# Altium PCB 2m_DBoard_TX.PcbDoc (part 1 of 5) (continued)
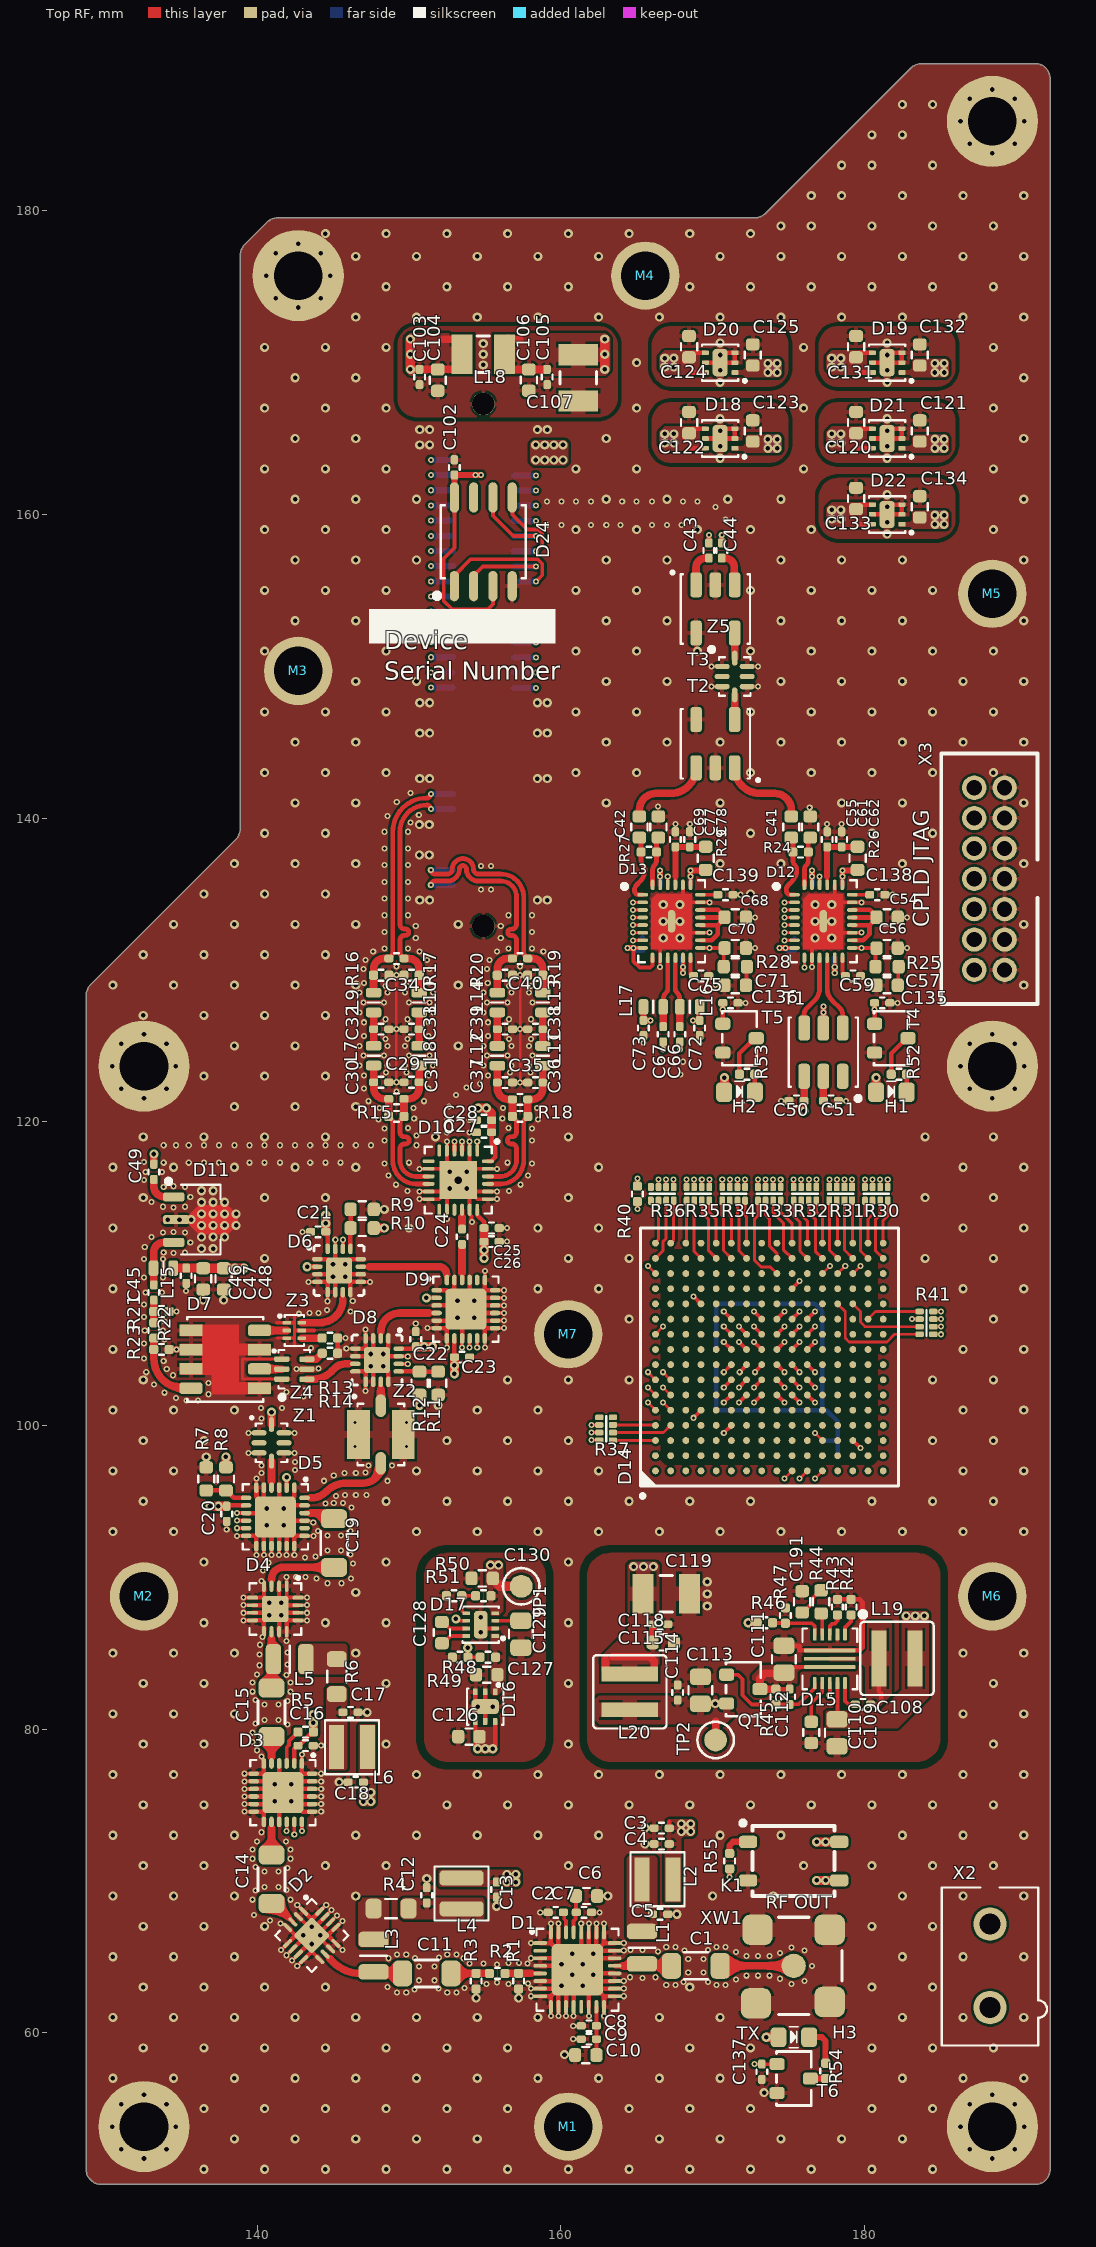
[diagram p0: Top RF view]
## Design rules (kind name [scope] priority, off if disabled: settings) (continued)
HoleSize [All] p3: absolutevalues=TRUE maxlimit=5 minlimit=0.2 maxpercent=80.000 minpercent=20.000
HoleToHoleClearance [All] p1: gap=0.15 allowstackedmicrovias=TRUE
MatchedLengths [InDifferentialPair ('TX_IOUTA')] p1: tolerance=25.4 checknetsindiffpair=FALSE checkdiffpairvsdiffpair=TRUE checkxsignals=TRUE checkothers=TRUE
MinimumSolderMaskSliver [All] p1: minsoldermaskwidth=0.01
PlaneClearance [All] p1: clearance=0.254
PlaneConnect [All] p1: planeconnectstyle=Direct reliefexpansion=0.508 reliefentries=4 reliefconductorwidth=0.254 reliefairgap=0.254
PolygonConnect PolygonConnect_1 [All vs IsNamedPolygon('')] p1: thpad.connectstyle=Relief thpad.reliefconductorwidth=0.3 thpad.reliefentries=4 thpad.polygonreliefangle="90 Angle" thpad.airgapwidth=0.15 smdpad.connectstyle=Relief smdpad.reliefconductorwidth=0.3 smdpad.reliefentries=4 smdpad.polygonreliefangle="90 Angle" smdpad.airgapwidth=0.15 via.connectstyle=Direct via.reliefconductorwidth=0.254 via.reliefentries=4 via.polygonreliefangle="90 Angle" via.airgapwidth=0.254
PolygonConnect PolygonConnect_2 [All vs IsNamedPolygon( '-3V4_DVSS_P001', '6V_TX_P002','6V_TX_P003','6V_TX_P004','6V_TX_P005','6V_TX_P006', '6V_TX_P007','6V_TX_P101','5V_QMOD_P001',  '5V_AVDD_P001', '5V_CVDD_P001', '5V_CVDD_P001', '3V3_CVDD_P001', '3V3_DVDD_P002', 'NETL3_2_L01_P','NETL5_2_L01_P','NETC127_1_L01_P')] p2: connectstyle=Direct reliefconductorwidth=0.254 reliefentries=4 polygonreliefangle="90 Angle" airgapwidth=0.254
PolygonConnect Mech_Via [InPadClass('Mechanical') or InPadClass('MicroMechanical')] p3: connectstyle=Direct reliefconductorwidth=0.254 reliefentries=4 polygonreliefangle="90 Angle" airgapwidth=0.254
PolygonConnect Shield [InPolygonClass('Shield')] p4: connectstyle=NoConnect reliefconductorwidth=0.254 reliefentries=4 polygonreliefangle="90 Angle" airgapwidth=0.15
PolygonConnect 0805 [HasFootprint('C0805')] p5: connectstyle=Relief reliefconductorwidth=0.5 reliefentries=4 polygonreliefangle="90 Angle" airgapwidth=0.15
PolygonConnect Power [InPadClass('Power')] p6: connectstyle=Direct reliefconductorwidth=1 reliefentries=4 polygonreliefangle="90 Angle" airgapwidth=0.15
PolygonConnect VIA [IsVia] p7: connectstyle=Direct reliefconductorwidth=0.254 reliefentries=4 polygonreliefangle="90 Angle" airgapwidth=0.15
PolygonConnect "Direct Connection" [InPadClass('Direct Connect')] p8: connectstyle=Direct reliefconductorwidth=0.254 reliefentries=4 polygonreliefangle="90 Angle" airgapwidth=0.15
PolygonConnect [All] p9: connectstyle=Relief reliefconductorwidth=0.3 reliefentries=4 polygonreliefangle="90 Angle" airgapwidth=0.15
RoutingVias [All] p1: holewidth=0.2 width=0.4 viastyle="Through Hole" minholewidth=0.2 minwidth=0.4 maxholewidth=0.5 maxwidth=1
SilkToSilkClearance [All] p1: silktosilkclearance=0.01
SilkToSolderMaskClearance [IsPad] p1: minsilkscreentomaskgap=0.01 clearancetoexposedcopper=TRUE
SolderMaskExpansion SolderMaskExpansion_via [IsVia] p1: expansion=0.102 istentingtop=TRUE
SolderMaskExpansion [InPadClass('All Pads')] p2: expansion=0.01 istentingtop=FALSE
UnRoutedNet [All] p1: checkbadconnections=TRUE
Width Digi_50Ohm [InNetClass('Digi_50Ohm')] p1: maxlimit=0.5 minlimit=0.1 preferedwidth=0.4 toplayer_prefwidth=0.5 midlayer1_minwidth=0.35 midlayer1_maxwidth=0.35 midlayer1_prefwidth=0.35 midlayer4_minwidth=0.11 midlayer4_maxwidth=0.11 midlayer4_prefwidth=0.11 bottomlayer_minwidth=0.4 bottomlayer_maxwidth=0.4 impedanceprofiledriven=TRUE impedanceprofileid={ACE18A77-4A1F-4D0A-A6FB-D899861BAE52} impedanceprofilevalue=50.000000 minimp=50.000000 maximp=50.000000 favimp=50.000000
Width "RF_50Ohm width" [InNetClass('RF_50Ohm')] p2: maxlimit=0.5 minlimit=0.11 preferedwidth=0.4 toplayer_minwidth=0.3 toplayer_prefwidth=0.5 midlayer1_minwidth=0.3 midlayer1_maxwidth=0.35 midlayer1_prefwidth=0.35 midlayer4_maxwidth=0.11 midlayer4_prefwidth=0.11 bottomlayer_minwidth=0.4 bottomlayer_maxwidth=0.4 impedanceprofiledriven=TRUE impedanceprofileid={ACE18A77-4A1F-4D0A-A6FB-D899861BAE52} impedanceprofilevalue=50.000000 minimp=50.000000 maximp=50.000000 favimp=50.000000
Width PowerLine [InNetClass('All Nets')] p3: maxlimit=3.5 minlimit=0.1 preferedwidth=0.254 minimp=50.000000 maximp=50.000000 favimp=50.000000
Width [All] p4: maxlimit=0.5 minlimit=0.1 preferedwidth=0.15 minimp=50.000000 maximp=50.000000 favimp=50.000000
21 further rules are at their usual default settings.

## Classes and differential pairs
differential pair class Diff_pair_100Ohm: _IOUTA_QMOD _IOUTB_QMOD _LO1_TX LO2_TX REF_FREQ_TX TX_IOUTA TX_IOUTB
net class Digi_50Ohm: cpld_io_00 cpld_io_01 cpld_io_02 cpld_io_03 cpld_io_04 cpld_io_05 cpld_io_06 cpld_io_07 cpld_io_08 cpld_io_09 cpld_io_10 cpld_io_11 cpld_io_12 cpld_io_13 cpld_io_14 cpld_io_15 MISO_TX MOSI_TX SCLK_TX SEN_TX
differential pair TX_IOUTA: +TX_IOUTA_P -TX_IOUTA_N
differential pair TX_IOUTB: +TX_IOUTB_P -TX_IOUTB_N
differential pair _IOUTA_QMOD: +_IOUTA_QMOD_P -_IOUTA_QMOD_N
differential pair _IOUTB_QMOD: +_IOUTB_QMOD_P -_IOUTB_QMOD_N
differential pair LO2_TX: +LO2_TX_P -LO2_TX_N
differential pair REF_FREQ_TX: +REF_FREQ_TX_P -REF_FREQ_TX_N
differential pair _LO1_TX: +_LO1_TX_P -_LO1_TX_N

## Components (designator, comment, footprint, x,y, rotation, side; value= is the part's Value field where it differs from the comment)
C1 "CAP" C1206 168.9,64.4 r180 top value=0.1uF
C2 "CAP" C0402 159.675,67.925 r180 top value=1000pF
C3 "CAP" C0402 166.65,73.475 r0 top value=10nF
C4 "CAP" C0402 166.65,72.425 r0 top value=1000pF
C5 "CAP" C0402 166.55,67.8 r180 top value=1.5pF
C6 "CAP" C0603 161.7,69 r0 top value=4.7uF
C7 "CAP" C0402 161.525,67.925 r180 top value=10nF
C8 "CAP" C0402 161.85,60.45 r0 top value=1000pF
C9 "CAP" C0402 161.85,59.575 r0 top value=10nF
C10 "CAP" C0603 161.65,58.525 r180 top value=4.7uF
C11 "CAP" C1206 151.175,63.9 r180 top value=0.1uF
C12 "CAP" C0402 151.175,69.05 r270 top value=1.5pF
C13 "CAP" C0402 155.775,69.425 r90 top value=10nF
C14 "CAP" C1206 140.95,70.105 r90 top value=0.1uF
C15 "CAP" C1206 140.95,81.105 r90 top value=0.1uF
C16 "CAP" C0402 143.2,78.905 r180 top value=10nF
C17 "CAP" C0402 146.15,81.1 r180 top value=1.5pF
C18 "CAP" C0402 146.5,76.5 r0 top value=10nF
C19 "CAP" C1206 145.075,92.25 r90 top value=0.1uF
C20 "CAP" C0402 138,94.175 r270 top value=10nF
C21 "CAP" C0402 144.025,112.75 r180 top value=10nF
C22 "CAP" C0402 150.45,105.675 r90 top value=10nF
C23 "CAP" C0402 153.5,104.5 r0 top value=10nF
C24 "CAP" C0402 153.5,112.425 r270 top value=100pF
C25 "CAP" C0402 155.45,113 r180 top value=100pF
C26 "CAP" C0402 155.45,112.1 r180 top value=0.1uF
C27 "CAP" C0402 154.95,119.3 r0 top value=100pF
C28 "CAP" C0402 154.95,120.1 r0 top value=0.1uF
C29 "CAP" C0402 149.175,121.5 r0 top value=6pF
C30 "CAP" C0402 148.175,122.6 r0 top value=3pF
C31 "CAP" C0402 150.175,122.6 r0 top value=3pF
C32 "CAP" C0402 148.175,126.1 r0 top value=22pF
C33 "CAP" C0402 150.175,126.1 r0 top value=22pF
C34 "CAP" C0402 149.175,130.75 r0 top value=3.6pF
C35 "CAP" C0402 157.325,121.466 r180 top value=6pF
C36 "CAP" C0402 158.325,122.581 r180 top value=3pF
C37 "CAP" C0402 156.325,122.581 r180 top value=3pF
C38 "CAP" C0402 158.325,126.1 r180 top value=22pF
C39 "CAP" C0402 156.325,126.1 r180 top value=22pF
C40 "CAP" C0402 157.325,130.75 r180 top value=3.6pF
C41 "CAP" C0603 175.186,139.413 r90 top value=1uF
C42 "CAP" C0603 165.182,139.413 r90 top value=1uF
C43 "CAP" C0402 169.759,157.625 r90 top value=0.1uF
C44 "CAP" C0402 170.609,157.625 r90 top value=0.1uF
C45 "CAP" C0402 133.2,108.75 r270 top value=1000pF
C46 "CAP" C0402 135.331,109.854 r90 top value=68pF
C47 "CAP" C0603 136.45,109.65 r90 top value=1200pF
C48 "CAP" C0603 137.8,109.65 r270 top value=1uF
C49 "CAP" C0402 133.2,116.7 r270 top value=1000pF
C50 "CAP" C0402 175.525,121.375 r0 top value=0.3pF
C51 "CAP" C0402 177.8,121.375 r0 top value=1000pF
C52 "CAP" C0402 177.8,126.75 r0 bottom value=1000pF
C53 "CAP" C0402 177.8,125.975 r180 bottom value=10nF
C54 "CAP" C0603 181.499,133.462 r180 top value=2.2uF
C55 "CAP" C0603 176.432,139.413 r90 top value=1uF
C56 "CAP" C0603 181.499,131.437 r180 top value=2200pF
C57 "CAP" C0603 181.499,128.987 r0 top value=27nF
C58 "CAP" C0402 178.55,130.8 r0 bottom value=10nF
C59 "CAP" C0402 179.25,129.6 r180 top value=1uF
C60 "CAP" C0402 175.4,130.8 r90 bottom value=0.1uF
C61 "CAP" C0402 177.55,138.6 r270 top value=10nF
C62 "CAP" C0402 178.5,138.6 r270 top value=1uF
C63 "CAP" C0402 178.05,135.6 r0 bottom value=10nF
C64 "CAP" C0402 176.05,135.6 r0 bottom value=0.1uF
C65 "CAP" C0402 175.4,132.6 r270 bottom value=0.1uF
C66 "CAP" C0402 167.849,125.762 r270 top value=100pF
C67 "CAP" C0402 166.749,125.762 r270 top value=100pF
C68 "CAP" C0603 171.499,133.462 r180 top value=2.2uF
C69 "CAP" C0603 166.432,139.413 r90 top value=1uF
C70 "CAP" C0603 171.499,131.437 r180 top value=2200pF
C71 "CAP" C0603 171.499,128.987 r0 top value=27nF
C72 "CAP" C0402 169.15,126.175 r90 top value=10pF
C73 "CAP" C0402 165.45,126.175 r90 top value=10nF
C74 "CAP" C0402 168.55,130.8 r0 bottom value=10nF
C75 "CAP" C0402 169.25,129.6 r180 top value=1uF
C76 "CAP" C0402 165.4,130.8 r90 bottom value=0.1uF
C77 "CAP" C0402 167.55,138.6 r270 top value=10nF
C78 "CAP" C0402 168.5,138.6 r270 top value=1uF
C79 "CAP" C0402 168.05,135.6 r0 bottom value=10nF
C80 "CAP" C0402 166.05,135.6 r0 bottom value=0.1uF
C81 "CAP" C0402 165.4,132.6 r270 bottom value=0.1uF
C82 "CAP" C0402 171.74,100 r0 bottom value=1uF
C83 "CAP" C0402 178.74,99 r180 bottom value=0.1uF
C84 "CAP" C0402 174.74,109 r180 bottom value=0.1uF
C85 "CAP" C0402 169.74,108 r0 bottom value=0.1uF
C86 "CAP" C0402 169.74,101 r0 bottom value=0.1uF
C87 "CAP" C0402 174.24,101.5 r90 bottom value=0.1uF
C88 "CAP" C0402 175.24,101.5 r90 bottom value=0.1uF
C89 "CAP" C0402 176.74,103 r180 bottom value=0.1uF
C90 "CAP" C0402 176.74,104 r180 bottom value=0.1uF
C91 "CAP" C0402 174.24,107.5 r270 bottom value=0.1uF
C92 "CAP" C0402 175.24,107.5 r270 bottom value=0.1uF
C93 "CAP" C0402 176.74,106 r180 bottom value=0.1uF
C94 "CAP" C0402 176.74,105 r180 bottom value=0.1uF
C95 "CAP" C0402 170.74,103 r0 bottom value=0.1uF
C96 "CAP" C0402 170.74,104 r0 bottom value=0.1uF
C97 "CAP" C0402 172.24,101.5 r90 bottom value=0.1uF
C98 "CAP" C0402 173.24,101.5 r90 bottom value=0.1uF
C99 "CAP" C0402 170.74,106 r0 bottom value=0.1uF
C100 "CAP" C0402 170.74,105 r0 bottom value=0.1uF
C101 "CAP" C0402 173.24,107.5 r270 bottom value=0.1uF
C102 "CAP" C0402 153,163.1 r270 top value=10nF
C103 "CAP" C0402 150.7,169.05 r90 top value=0.1uF
C104 "CAP" C0603 151.899,168.845 r90 top value=220pF
C105 "CAP" C0402 159.1,169.05 r90 top value=0.1uF
C106 "CAP" C0603 157.9,168.85 r90 top value=220pF
C107 "CAP uF" C1210 161.15,169 r90 top value=100uF
C108 "CAP" C0402 179.9,81.625 r0 top value=0.1uF
C109 "CAP uF" C0805 178.2,79.75 r270 top value=22uF
C110 "CAP" C0603 176.5,79.775 r270 top value=4.7uF
C111 "CAP uF" C0805 174.7,84.6 r270 top value=10uF
C112 "CAP" C0402 175.075,82.125 r270 top value=22nF
C113 "CAP uF" C0805 169.2,82.55 r270 top value=22uF
C114 "CAP" C0402 167.7,82.4 r270 top value=0.1uF
C115 "CAP" C0603 166.75,85.7 r180 top value=220pF
C118 "CAP" C0402 166.55,86.9 r180 top value=0.1uF
C119 "CAP uF" C1210 166.95,88.9 r180 top value=47uF
C120 "CAP" C0603 179.45,166.05 r90 top value=1uF
C121 "CAP" C0603 183.65,165.5 r90 top value=1uF
C122 "CAP" C0603 168.45,166.05 r90 top value=1uF
C123 "CAP" C0603 172.65,165.5 r90 top value=1uF
C124 "CAP" C0603 168.45,171.05 r90 top value=1uF
C125 "CAP" C0603 172.65,170.5 r90 top value=1uF
C126 "CAP" C0603 153.95,79.5 r180 top value=1uF
C127 "CAP" C0603 155.125,83.575 r180 top value=4.7uF
C128 "CAP" C0603 152.175,86.35 r270 top value=1uF
C129 "CAP uF" C0805 157.375,86.25 r270 top value=10uF
C130 "CAP" C0603 154.825,89.925 r180 top value=2.2uF
C131 "CAP" C0603 179.45,171.05 r90 top value=1uF
C132 "CAP" C0603 183.65,170.5 r90 top value=1uF
C133 "CAP" C0603 179.45,161.05 r90 top value=1uF
C134 "CAP" C0603 183.65,160.5 r90 top value=1uF
C135 "CAP" C0402 181.175,127.825 r0 top value=10nF
C136 "CAP" C0402 171.175,127.825 r0 top value=10nF
C137 "CAP" C0402 173.25,57.425 r270 top value=10nF
C138 "CAP" C0402 180.85,134.95 r180 top value=1uF
C139 "CAP" C0402 170.85,134.95 r180 top value=1uF
C191 "CAP" C0603 175.902,88.377 r270 top value=2.2nF
D1 "HMC637BPM5E" LFCSP-32 161.1,64.15 r0 top
D2 "HMC311LP3" "QFN-16 v2" 143.6,66.405 r315 top
D3 "PE43711" QFN-24 141.7,75.805 r270 top
D4 "HMC311LP3" "QFN-16 v2" 141.2,87.905 r270 top
D5 "PE42562" QFN-24 141.2,93.975 r270 top
D6 "PE42553" QFN-16 145.4,110.2 r0 top
D7 "SIM-43MH+" SIM-43MH+ 137.9,104.35 r90 top
D8 "PE42553" QFN-16 147.9,104.3 r270 top
D9 "PE42562" QFN-24 153.75,107.65 r0 top
D10 "ADL5375" LFCSP-24 153.25,116.15 r270 top
D11 "ADL5611" ADL5610 136.261,113.55 r0 top
D12 "LTC6948-4" QFN-28 177.3,133.2 r0 top
D13 "LTC6948-4" QFN-28 167.3,133.2 r0 top
D14 "XC2C256-7FTG256C" FTG256 173.74,104.5 r90 top
D15 "TPS611781" TPS611781x 177.725,84.625 r270 top
D16 "LP5912" WSON-6 155.025,81.475 r270 top
D17 "LM27761" WSON-8 154.725,86.875 r180 top
D18 "LP5912" WSON-6 170.5,165 r180 top
D19 "LP5912" WSON-6 181.5,170 r180 top
D20 "LP5912" WSON-6 170.5,170 r180 top
D21 "LP5912" WSON-6 181.5,165 r180 top
D22 "LP5912" WSON-6 181.5,160 r180 top
D24 "24LC024" SOIC_SN8 154.9,158.2 r90 top
H1 "LO1_LOCK" LED_0805_Green 181.775,121.95 r180 top
H2 "LO2_LOCK" LED_0805_Green 171.775,121.95 r180 top
H3 "TX" LED_0805_Green 175.35,59.7 r180 top
K1 "G3VM-61VR" G3VM-61 175.34,71.3 r270 top
L1 "Inductor RF" L0805_HP 165.35,65.6 r90 top value=6.2nH
L2 "Inductor" XFL3012#1 166.375,70.1 r180 top value=6.8uH
L3 "Inductor RF" L0805_HP 147.675,65.07 r90 top value=6.2nH
L4 "Inductor" XFL3012#2 153.47,69.17 r270 top value=6.8uH
L5 "Inductor RF" L0805_HP 142.15,84.6 r0 top value=6.2nH
L6 "Inductor" XFL3012#1 146.25,78.805 r180 top value=6.8uH
L7 "Inductor RF" L0603_HP 147.675,124.35 r270 top value=33nH
L8 "Inductor RF" L0603_HP 150.675,124.35 r270 top value=33nH
L9 "Inductor RF" L0603_HP 147.675,127.85 r270 top value=33nH
L10 "Inductor RF" L0603_HP 150.675,127.85 r270 top value=33nH
L11 "Inductor RF" L0603_HP 158.825,124.338 r270 top value=33nH
L12 "Inductor RF" L0603_HP 155.825,124.338 r270 top value=33nH
L13 "Inductor RF" L0603_HP 158.825,127.85 r270 top value=33nH
L14 "Inductor RF" L0603_HP 155.825,127.85 r270 top value=33nH
L15 "Inductor RF" L0603_HP 133.831,110.354 r0 top value=43nH
L16 "Inductor RF" L0603_HP 168.499,127.562 r0 top value=68nH
L17 "Inductor RF" L0603_HP 166.099,127.562 r180 top value=68nH
L18 "Inductor LF" "L1210_Murata LQH" 154.902,170.55 r0 top value=1uH
L19 "Inductor PWR" XAL4030 182.15,84.65 r180 top value=4.7uH
L20 "Inductor PWR" XAL4020 164.55,82.45 r90 top value=2.2uH
M1 "Via" Mechanical_Via_2.6x4.2#1 160.49,53.81 r0 top
M2 "Via" Mechanical_Via_2.6x4.2#1 132.55,88.735 r0 top
M3 "Via" Mechanical_Via_2.6x4.2#2 136.075,149.65 r0 top
M4 "Via" Mechanical_Via_2.6x4.2#3 165.275,182.825 r0 top
M5 "Via" Mechanical_Via_2.6x4.2#4 197.3,154.925 r0 top
M6 "Via" Mechanical_Via_2.6x4.2#5 197.2,87.925 r0 top
M7 "Via" Mechanical_Via_2.6x4.2#6 160.66,109.775 r0 top
Q1 "IRLML2244" SOT-23 172.027,82.627 r90 top
R1 "RES" R0402 157.225,63.392 r270 top value=432
R2 "RES" R0402 155.825,63.9 r180 top value=11.8
R3 "RES" R0402 154.425,63.392 r270 top value=432
R4 "RES" R0805 148.825,68.17 r0 top value=18.7
R5 "RES" R0402 143.2,79.8 r180 top value=1k
R6 "RES" R0805 145.25,83.45 r270 top value=18.7
R7 "RES" R0603 136.65,96.475 r90 top value=none
R8 "RES" R0603 137.95,96.475 r270 top value=0
R9 "RES" R0603 146.925,114.225 r0 top value=none
R10 "RES" R0603 146.925,113 r180 top value=0
R11 "RES" R0603 151.925,102.775 r270 top value=none
R12 "RES" R0603 150.7,102.775 r90 top value=0
R13 "RES" R0402 144.792,105.75 r180 top value=49.9
R14 "RES" R0402 144.8,104.75 r180 top value=49.9
R15 "RES" R0402 149.175,120.35 r0 top value=140
R16 "RES" R0402 148.175,129.65 r0 top value=49.9
R17 "RES" R0402 150.175,129.65 r0 top value=49.9
R18 "RES" R0402 157.325,120.35 r180 top value=140
R19 "RES" R0402 158.325,129.65 r180 top value=49.9
R20 "RES" R0402 156.325,129.65 r180 top value=49.9
R21 "RES" R0402 133.7,107.5 r0 top value=220
R22 "RES" R0402 133.2,106.25 r90 top value=24
R23 "RES" R0402 133.7,105 r0 top value=220
R24 "RES" R0402 175.801,137.762 r0 top value=49.9
R25 "RES" R0603 181.499,130.212 r0 top value=332
R26 "RES" R0603 179.55,137.35 r270 top value=15
R27 "RES" R0402 165.801,137.762 r0 top value=49.9
R28 "RES" R0603 171.499,130.212 r0 top value=332
R29 "RES" R0603 169.55,137.35 r270 top value=15
R30 "RES 4x0402" EXN8V#1 180.79,115.25 r0 top value=33
R31 "RES 4x0402" EXN8V#2 178.44,115.25 r0 top value=33
R32 "RES 4x0402" EXN8V#1 176.09,115.25 r0 top value=33
R33 "RES 4x0402" EXN8V#1 173.74,115.25 r0 top value=33
R34 "RES 4x0402" EXN8V#1 171.39,115.25 r0 top value=33
R35 "RES 4x0402" EXN8V#1 169.04,115.25 r0 top value=33
R36 "RES 4x0402" EXN8V#1 166.69,115.25 r0 top value=33
R37 "RES 4x0402" EXN8V#1 162.99,99.775 r90 top value=33
R40 "RES" R0402 165.05,115.25 r90 top value=33
R41 "RES 4x0402" EXN8V#1 184.09,106.75 r270 top value=33
R42 "RES" R0402 179.125,88.025 r270 top value=71.5k
R43 "RES" R0402 178.225,88.025 r270 top value=681k
R44 "RES" R0603 177.15,88.375 r270 top value=23.7k
R45 "RES" R0402 174.171,82.121 r90 top value=178k
R46 "RES" R0402 173.45,87 r180 top value=732k
R47 "RES" R0402 174.8,87.475 r270 top value=80.6k
R48 "RES" R0402 155.2,84.725 r0 top value=1.5k
R49 "RES" R0402 153.375,84.725 r0 top value=none
R50 "RES" R0402 154.9,88.775 r0 top value=887k
R51 "RES" R0402 152.975,88.775 r180 top value=499k
R52 "RES" R0402 182.275,123.125 r0 top value=68
R53 "RES" R0402 172.275,123.125 r0 top value=68
R54 "RES" R0402 177.45,57.48 r90 top value=68
R55 "RES" R0402 171.125,71.3 r270 top value=180
T1 "TCM2-452X-2+" DB1627 177.3,124.585 r180 top
T2 "TC2-1TX+" AT1521 170.184,144.9 r180 top
T3 "TC2-1TX+" AT1521 170.184,153.775 r0 top
T4 "2N7002" SOT-23 181.775,125.5 r90 top
T5 "2N7002" SOT-23 171.775,125.5 r90 top
T6 "2N7002" SOT-23 175.35,56.975 r90 top
TP1 "-3.4V" "Control Point" 157.4,89.4 r90 top
TP2 "12V" "Control Point" 170.202,79.277 r270 top
X1 "DBoard" DBOARD-HALF-TX-MB 154.902,150.33 r180 bottom locked
X2 "Mini-Fit Jr. Vertical Header" "Mini-Fit Jr. Vertical Header" 188.275,64.4 r180 top
X3 "JTAG" "JTAG Mail 2mm" 188.24,136 r90 top
XW1 "TX" "MOLEX SD-73251-135 (Gold)" 175.34,64.4 r180 top
Z1 "LFCG-92+" GE0805C-2 140.95,98.85 r270 top
Z2 "BFCV-4085+" JV1210C 148.15,99.4 r270 top
Z3 "LDPW-162-242+" JC0603C 142.45,106.25 r270 top
Z4 "LDPG-212-322+" GE0805C-10 142.45,103.7 r270 top
Z5 "LFCG-92+" GE0805C-2 171.459,149.325 r270 top

## Footprints (in the part's own frame and the unit in brackets; to place one, negate y for a bottom-side part, rotate by r counter-clockwise, add the part's x,y. Pads: shape width x height; smd on the part's side, far side on the other; paste and mask are expansions set on the pad)
ADL5610 [mm] "SOT89, 3-Leads, Body 4,49x2,44mm, Pitch 1,50mm, Lead Span 4,0mm, IPC Medium Density"
  rrect50% 1.4x0.6 smd: 1(-1.75,1.5) 3(-1.75,-1.5)
  rrect50% 1.7x0.6 smd: 2(-1.6,0)
  Top RF region: -0.75,0.3 -0.1,0.95 1.8,0.95 2.45,0.3 2.45,-0.3 1.8,-0.95 -0.1,-0.95 -0.75,-0.3
  silkscreen extent -2.23,-2.3 1.33,2.65, body extent -2.22,-2.25 2.03,2.25, height 1.54
AT1521 [mm] "RF Transformer"
  rrect50% 0.76x1.65 smd: 1(-1.27,1.59) 2(0,1.59) 3(1.27,1.59) 4(1.27,-1.59) 6(-1.27,-1.59)
  silkscreen extent -2.92,-2.29 2.29,2.5, body extent -1.9,-1.92 1.9,1.92, height 2.79
C0402 [mm] "Chip Capacitor, Body 1.0x0.5mm, IPC High Density"
  rrect50% 0.6x0.5 smd: 1(-0.5,0) 2(0.5,0)
  silkscreen extent -0.15,-0.36 0.15,0.36, body extent -0.5,-0.25 0.5,0.25, height 0.49
C0603 [mm] "Chip Capacitor, Body 1.6x0.8mm, IPC High Density"
  rrect50% 0.8x0.9 smd: 1(-0.7,0) 2(0.7,0)
  silkscreen extent -0.23,-0.53 0.23,0.53, body extent -0.8,-0.4 0.8,0.4, height 0.79
C0805 [mm] "Chip Capacitor, Body 2.0x1.3mm, IPC High Density"
  rrect50% 1.1x1.4 smd: 1(-0.889,0) 2(0.889,0)
  silkscreen extent -0.28,-0.79 0.28,0.79, body extent -1,-0.62 1,0.62, height 0.59
C1206 [mm]
  rrect50% 1.25x1.7 smd: 1(-1.6,0) 2(1.6,0)
  silkscreen extent -0.76,-0.89 0.76,0.89, body extent -1.6,-0.8 1.6,0.8, height 0.77
C1210 [mm] "Chip Capacitor, Body 3.2x2.5mm, IPC High Density"
  rect 1.4x2.6 smd: 1(-1.524,0) 2(1.524,0)
  silkscreen extent -0.4,-1.2 0.4,1.2, body extent -1.6,-1.25 1.6,1.25, height 0.77
"Control Point" [mm]
  round 1.5 smd: 1(0,0)
  silkscreen extent -1.2,-1.2 1.2,1.2
DB1627 [mm] "RF Transformer"
  rrect50% 0.76x1.65 smd: 1(-1.27,1.59) 2(0,1.59) 3(1.27,1.59) 4(1.27,-1.59) 5(0,-1.59) 6(-1.27,-1.59)
  silkscreen extent -2.41,-2.29 2.29,3.17, body extent -1.9,-1.92 1.9,1.92, height 2.79
DBOARD-HALF-TX-MB [mil]
  round 236.22 hole 125.98: 0(-1320,-3800) 0(-1320,-1050) 0(-1320,1400) 0(480,1000) 0(880,-3800) 0(880,-1050)
  round 59.06 hole 59.06 unplated: 0(0,-686.85) 0(0,667.48)
  oval 92x24 smd: 1(78.74,600.55) 2(-78.74,600.55) 3(78.74,561.18) 4(-78.74,561.18) 5(78.74,521.81) 6(-78.74,521.81) 7(78.74,482.44) 8(-78.74,482.44) 9(78.74,443.07) 10(-78.74,443.07) 11(78.74,403.7) 12(-78.74,403.7) 13(78.74,364.33) 14(-78.74,364.33) 15(78.74,324.96) 16(-78.74,324.96) 17(78.74,285.59) 18(-78.74,285.59) 19(78.74,246.22) 20(-78.74,246.22) 21(78.74,206.85) 22(-78.74,206.85) 23(78.74,167.48) 24(-78.74,167.48) 25(78.74,128.11) 26(-78.74,128.11) 27(78.74,88.74) 28(-78.74,88.74) 29(78.74,49.37) 30(-78.74,49.37) 31(78.74,10) 32(-78.74,10) 33(78.74,-29.37) 34(-78.74,-29.37) 35(78.74,-68.74) 36(-78.74,-68.74) 37(78.74,-108.11) 38(-78.74,-108.11) 39(78.74,-147.48) 40(-78.74,-147.48) 41(78.74,-186.85) 42(-78.74,-186.85) 43(78.74,-226.22) 44(-78.74,-226.22) 45(78.74,-265.59) 46(-78.74,-265.59) 47(78.74,-304.96) 48(-78.74,-304.96) 49(78.74,-344.33) 50(-78.74,-344.33) 51(78.74,-383.7) 52(-78.74,-383.7) 53(78.74,-423.07) 54(-78.74,-423.07) 55(78.74,-462.44) 56(-78.74,-462.44) 57(78.74,-501.81) 58(-78.74,-501.81) 59(78.74,-541.18) 60(-78.74,-541.18) 61(78.74,-580.55) 62(-78.74,-580.55) 63(78.74,-619.92) 64(-78.74,-619.92)
  silkscreen extent -126,-726 126,707, body extent -2621,-1204 4156,3521, height 534
EXN8V#1 [mm] "Resistor Array 4x0402 0804"
  rrect50% 0.375x0.55 smd: 1(-0.75,-0.45) 2(-0.25,-0.45) 3(0.25,-0.45) 4(0.75,-0.45) 5(0.75,0.45) 6(0.25,0.45) 7(-0.25,0.45) 8(-0.75,0.45)
  silkscreen extent -0.84,0 0.84,0, body extent -1,-0.5 1,0.5, height 0.4
EXN8V#2 [mm] "Resistor Array 4x0402 0804"
  rect 0.375x0.55 smd: 1(-0.75,-0.45) 2(-0.25,-0.45) 3(0.25,-0.45) 4(0.75,-0.45) 5(0.75,0.45) 6(0.25,0.45) 7(-0.25,0.45) 8(-0.75,0.45)
  silkscreen extent -0.84,0 0.84,0, body extent -1,-0.5 1,0.5, height 0.4
FTG256 [mm] "BGA, 256-Leads, Body 17x17mm, Pitch 1mm"
  round 0.45 smd: A1(-7.5,7.5) A2(-6.5,7.5) A3(-5.5,7.5) A4(-4.5,7.5) A5(-3.5,7.5) A6(-2.5,7.5) A7(-1.5,7.5) A8(-0.5,7.5) A9(0.5,7.5) A10(1.5,7.5) A11(2.5,7.5) A12(3.5,7.5) A13(4.5,7.5) A14(5.5,7.5) A15(6.5,7.5) A16(7.5,7.5) B1(-7.5,6.5) B2(-6.5,6.5) B3(-5.5,6.5) B4(-4.5,6.5) B5(-3.5,6.5) B6(-2.5,6.5) B7(-1.5,6.5) B8(-0.5,6.5) B9(0.5,6.5) B10(1.5,6.5) B11(2.5,6.5) B12(3.5,6.5) B13(4.5,6.5) B14(5.5,6.5) B15(6.5,6.5) B16(7.5,6.5) C1(-7.5,5.5) C2(-6.5,5.5) C3(-5.5,5.5) C4(-4.5,5.5) C5(-3.5,5.5) C6(-2.5,5.5) C7(-1.5,5.5) C8(-0.5,5.5) C9(0.5,5.5) C10(1.5,5.5) C11(2.5,5.5) C12(3.5,5.5) C13(4.5,5.5) C14(5.5,5.5) C15(6.5,5.5) C16(7.5,5.5) D1(-7.5,4.5) D2(-6.5,4.5) D3(-5.5,4.5) D4(-4.5,4.5) D5(-3.5,4.5) D6(-2.5,4.5) D7(-1.5,4.5) D8(-0.5,4.5) D9(0.5,4.5) D10(1.5,4.5) D11(2.5,4.5) D12(3.5,4.5) D13(4.5,4.5) D14(5.5,4.5) D15(6.5,4.5) D16(7.5,4.5) E1(-7.5,3.5) E2(-6.5,3.5) E3(-5.5,3.5) E4(-4.5,3.5) E5(-3.5,3.5) E6(-2.5,3.5) E7(-1.5,3.5) E8(-0.5,3.5) E9(0.5,3.5) E10(1.5,3.5) E11(2.5,3.5) E12(3.5,3.5) E13(4.5,3.5) E14(5.5,3.5) E15(6.5,3.5) E16(7.5,3.5) F1(-7.5,2.5) F2(-6.5,2.5) F3(-5.5,2.5) F4(-4.5,2.5) F5(-3.5,2.5) F6(-2.5,2.5) F7(-1.5,2.5) F8(-0.5,2.5) F9(0.5,2.5) F10(1.5,2.5) F11(2.5,2.5) F12(3.5,2.5) F13(4.5,2.5) F14(5.5,2.5) F15(6.5,2.5) F16(7.5,2.5) G1(-7.5,1.5) G2(-6.5,1.5) G3(-5.5,1.5) G4(-4.5,1.5) G5(-3.5,1.5) G6(-2.5,1.5) G7(-1.5,1.5) G8(-0.5,1.5) G9(0.5,1.5) G10(1.5,1.5) G11(2.5,1.5) G12(3.5,1.5) G13(4.5,1.5) G14(5.5,1.5) G15(6.5,1.5) G16(7.5,1.5) H1(-7.5,0.5) H2(-6.5,0.5) H3(-5.5,0.5) H4(-4.5,0.5) H5(-3.5,0.5) H6(-2.5,0.5) H7(-1.5,0.5) H8(-0.5,0.5) H9(0.5,0.5) H10(1.5,0.5) H11(2.5,0.5) H12(3.5,0.5) H13(4.5,0.5) H14(5.5,0.5) H15(6.5,0.5) H16(7.5,0.5) J1(-7.5,-0.5) J2(-6.5,-0.5) J3(-5.5,-0.5) J4(-4.5,-0.5) J5(-3.5,-0.5) J6(-2.5,-0.5) J7(-1.5,-0.5) J8(-0.5,-0.5) J9(0.5,-0.5) J10(1.5,-0.5) J11(2.5,-0.5) J12(3.5,-0.5) J13(4.5,-0.5) J14(5.5,-0.5) J15(6.5,-0.5) J16(7.5,-0.5) K1(-7.5,-1.5) K2(-6.5,-1.5) K3(-5.5,-1.5) K4(-4.5,-1.5) K5(-3.5,-1.5) K6(-2.5,-1.5) K7(-1.5,-1.5) K8(-0.5,-1.5) K9(0.5,-1.5) K10(1.5,-1.5) K11(2.5,-1.5) K12(3.5,-1.5) K13(4.5,-1.5) K14(5.5,-1.5) K15(6.5,-1.5) K16(7.5,-1.5) L1(-7.5,-2.5) L2(-6.5,-2.5) L3(-5.5,-2.5) L4(-4.5,-2.5) L5(-3.5,-2.5) L6(-2.5,-2.5) L7(-1.5,-2.5) L8(-0.5,-2.5) L9(0.5,-2.5) L10(1.5,-2.5) L11(2.5,-2.5) L12(3.5,-2.5) L13(4.5,-2.5) L14(5.5,-2.5) L15(6.5,-2.5) L16(7.5,-2.5) M1(-7.5,-3.5) M2(-6.5,-3.5) M3(-5.5,-3.5) M4(-4.5,-3.5) M5(-3.5,-3.5) M6(-2.5,-3.5) M7(-1.5,-3.5) M8(-0.5,-3.5) M9(0.5,-3.5) M10(1.5,-3.5) M11(2.5,-3.5) M12(3.5,-3.5) M13(4.5,-3.5) M14(5.5,-3.5) M15(6.5,-3.5) M16(7.5,-3.5) N1(-7.5,-4.5) N2(-6.5,-4.5) N3(-5.5,-4.5) N4(-4.5,-4.5) N5(-3.5,-4.5) N6(-2.5,-4.5) N7(-1.5,-4.5) N8(-0.5,-4.5) N9(0.5,-4.5) N10(1.5,-4.5) N11(2.5,-4.5) N12(3.5,-4.5) N13(4.5,-4.5) N14(5.5,-4.5) N15(6.5,-4.5) N16(7.5,-4.5) P1(-7.5,-5.5) P2(-6.5,-5.5) P3(-5.5,-5.5) P4(-4.5,-5.5) P5(-3.5,-5.5) P6(-2.5,-5.5) P7(-1.5,-5.5) P8(-0.5,-5.5) P9(0.5,-5.5) P10(1.5,-5.5) P11(2.5,-5.5) P12(3.5,-5.5) P13(4.5,-5.5) P14(5.5,-5.5) P15(6.5,-5.5) P16(7.5,-5.5) R1(-7.5,-6.5) R2(-6.5,-6.5) R3(-5.5,-6.5) R4(-4.5,-6.5) R5(-3.5,-6.5) R6(-2.5,-6.5) R7(-1.5,-6.5) R8(-0.5,-6.5) R9(0.5,-6.5) R10(1.5,-6.5) R11(2.5,-6.5) R12(3.5,-6.5) R13(4.5,-6.5) R14(5.5,-6.5) R15(6.5,-6.5) R16(7.5,-6.5) T1(-7.5,-7.5) T2(-6.5,-7.5) T3(-5.5,-7.5) T4(-4.5,-7.5) T5(-3.5,-7.5) T6(-2.5,-7.5) T7(-1.5,-7.5) T8(-0.5,-7.5) T9(0.5,-7.5) T10(1.5,-7.5) T11(2.5,-7.5) T12(3.5,-7.5) T13(4.5,-7.5) T14(5.5,-7.5) T15(6.5,-7.5) T16(7.5,-7.5)
  silkscreen extent -9.27,-8.5 8.5,8.5, body extent -8.5,-8.5 8.5,8.5, height 1.7
G3VM-61 [mm] "MOS FET Relays"
  rrect50% 0.8x1.2 smd: 1(-1.27,-3) 2(1.27,-3) 3(1.27,3) 4(-1.27,3)
  silkscreen extent -2.63,-3.47 2.3,2.7, body extent -1.95,-3.5 1.95,3.5, height 2.05
GE0805C-2 [mm] "Low Pass Filter"
  oval 0.36x0.99 smd: 0(0,0.825) 0(0,-0.825) GND(-0.66,0.825) GND(-0.66,-0.825) GND(0.66,0.825) GND(0.66,-0.825)
  oval 0.99x0.36 smd: IN(-1.205,0) OUT(1.205,0)
  silkscreen extent -1.73,-1.38 1.27,1.04, body extent -1,-0.62 1,0.62, height 0.8
GE0805C-10 [mm] "Diplexer"
  rrect50% 0.36x0.99 smd: 1(-0.66,-0.825) 2(0,-0.825) 3(0.66,-0.825) 4(0.66,0.825) 5(0,0.825) 6(-0.66,0.825)
  silkscreen extent -1.28,-1.41 1.27,1.04, body extent -1,-0.62 1,0.62, height 0.8
JC0603C [mm] "Diplexer"
  rrect50% 0.25x0.56 smd: 1(-0.51,-0.485) 2(0,-0.485) 3(0.51,-0.485) 4(0.51,0.485) 5(0,0.485) 6(-0.51,0.485)
  silkscreen extent -1.03,-1.03 1.02,0.64, body extent -0.8,-0.4 0.8,0.41, height 0.62
"JTAG Mail 2mm" [mm] "2.00mm Pitch, Milli-Grid PCB Header, Dual Row, Vertical, Through Hole, Shrouded, 14  Circuits"
  round 1.6 hole 1: 1(-6,-1) 2(-6,1) 3(-4,-1) 4(-4,1) 5(-2,-1) 6(-2,1) 7(0,-1) 8(0,1) 9(2,-1) 10(2,1) 11(4,-1) 12(4,1) 13(6,-1) 14(6,1)
  silkscreen extent -8.25,-3.18 8.25,3.18, body extent -8.32,-3.15 8.33,3.15, height 6.45
JV1210C [mm] "Bandpass Filter"
  rect 3.25x1.5 smd: GND(0,1.475) GND(0,-1.475)
  oval 1.5x0.7 smd: IN(-1.9,0) OUT(1.9,0)
  silkscreen extent -2.6,-1.85 2.03,1.54, body extent -1.61,-1.26 1.61,1.26, height 1.51
L0603_HP [mm]
  rrect50% 0.64x1.02 smd: 1(-0.65,0) 2(0.65,0)
  silkscreen extent 0,-0.41 0,0.41, body extent -0.88,-0.54 0.87,0.55, height 0.93
L0805_HP [mm]
  rrect50% 1.02x1.98 smd: 1(-1.07,0) 2(1.07,0)
  silkscreen extent 0,-0.89 0,0.89, body extent -1.14,-0.86 1.14,0.86, height 1.51
"L1210_Murata LQH" [mm] "Power Lines Inductor"
  rect 1.4x2.6 smd: 1(-1.397,0) 2(1.397,0)
  silkscreen extent -0.4,-1.2 0.4,1.2, body extent -1.6,-1.25 1.6,1.25, height 1.55
LED_0805_Green [mm]
  rrect50% 1.05x1.3 smd: 1(-1.01,0) 2(1.01,0)
  silkscreen extent -0.3,-0.7 0.3,0.7, body extent -1.01,-0.62 1.01,0.63, height 1.1
LFCSP-24 [mm] "QFN, 24-Leads, Body 4,00x4,00mm, Pitch 0,50mm, Thermal Pad 2,50x2,50mm, IPC Medium Density"
  oval 0.8x0.25 smd: 1(-1.95,1.25) 2(-1.95,0.75) 3(-1.95,0.25) 4(-1.95,-0.25) 5(-1.95,-0.75) 6(-1.95,-1.25) 13(1.95,-1.25) 14(1.95,-0.75) 15(1.95,-0.25) 16(1.95,0.25) 17(1.95,0.75) 18(1.95,1.25)
  oval 0.25x0.8 smd: 7(-1.25,-1.95) 8(-0.75,-1.95) 9(-0.25,-1.95) 10(0.25,-1.95) 11(0.75,-1.95) 12(1.25,-1.95) 19(1.25,1.95) 20(0.75,1.95) 21(0.25,1.95) 22(-0.25,1.95) 23(-0.75,1.95) 24(-1.25,1.95)
  rect 2.5x2.5 hole 0.5: 25(0,0)
  silkscreen extent -2.65,-2.2 2.2,2.65, body extent -1.99,-2.01 2.01,1.99, height 0.83
LFCSP-32 [mm] "LFCSP, 32-Leads, Body 5,00x5,00mm, Pitch 0,50mm"
  rrect20% 3.4x3.4 all layers, no hole: 0(0,0)
  oval 0.9x0.25 smd: 1(-2.45,1.75) 2(-2.45,1.25) 3(-2.45,0.75) 4(-2.45,0.25) 5(-2.45,-0.25) 6(-2.45,-0.75) 7(-2.45,-1.25) 8(-2.45,-1.75) 17(2.45,-1.75) 18(2.45,-1.25) 19(2.45,-0.75) 20(2.45,-0.25) 21(2.45,0.25) 22(2.45,0.75) 23(2.45,1.25) 24(2.45,1.75)
  oval 0.25x0.9 smd: 9(-1.75,-2.45) 10(-1.25,-2.45) 11(-0.75,-2.45) 12(-0.25,-2.45) 13(0.25,-2.45) 14(0.75,-2.45) 15(1.25,-2.45) 16(1.75,-2.45) 25(1.75,2.45) 26(1.25,2.45) 27(0.75,2.45) 28(0.25,2.45) 29(-0.25,2.45) 30(-0.75,2.45) 31(-1.25,2.45) 32(-1.75,2.45)
  silkscreen extent -3.1,-2.7 2.7,2.7, body extent -2.51,-2.51 2.51,2.51, height 1.26
Mechanical_Via_2.6x4.2#1 [mm] "Mechanical_Via"
  round 4.5 hole 3.2: 0(0,0)
Mechanical_Via_2.6x4.2#2 [mm] "Mechanical_Via"
  round 4.5 hole 3.2: 0(6.635,0.045)
Mechanical_Via_2.6x4.2#3 [mm] "Mechanical_Via"
  round 4.5 hole 3.2: 0(0.295,-7.095)
Mechanical_Via_2.6x4.2#4 [mm] "Mechanical_Via"
  round 4.5 hole 3.2: 0(-8.87,-0.15)
Mechanical_Via_2.6x4.2#5 [mm] "Mechanical_Via"
  round 4.5 hole 3.2: 0(-8.77,0.81)
Mechanical_Via_2.6x4.2#6 [mm] "Mechanical_Via"
  round 4.5 hole 3.2: 0(-0.17,-3.775)
"Mini-Fit Jr. Vertical Header" [mm] "4.20mm Pitch, Dual Row"
  round 2.2 hole 1.4: 1(0,2.75) 2(0,-2.75)
  silkscreen extent -3.75,-5.15 3.18,5.25, body extent -3.1,-5.95 3.1,5.05, height 12.88
"MOLEX SD-73251-135 (Gold)" [mm]
  rrect50% 2x2 smd: G(-2.375,2.375) G(-2.375,-2.375) G(2.375,-2.375) G(2.475,2.475)
  round 1.6 smd: S(0,0)
  silkscreen extent -3.2,-3.2 1,3.2, body extent -3.17,-3.17 3.18,3.18, height 9.52
QFN-16 [mm] "QFN, 16-Leads, Body 3,00x3,00mm, Pitch 0,50mm, Thermal Pad 1,70x1,70mm, IPC Medium Density"
  oval 0.7x0.3 smd: 1(-1.425,0.75) 2(-1.425,0.25) 3(-1.425,-0.25) 4(-1.425,-0.75) 9(1.425,-0.75) 10(1.425,-0.25) 11(1.425,0.25) 12(1.425,0.75)
  oval 0.3x0.7 smd: 5(-0.75,-1.425) 6(-0.25,-1.425) 7(0.25,-1.425) 8(0.75,-1.425) 13(0.75,1.425) 14(0.25,1.425) 15(-0.25,1.425) 16(-0.75,1.425)
  rrect20% 1.7x1.7 all layers, no hole mask+0.102: 17(0,0)
  silkscreen extent -2.07,-1.65 1.65,1.65, body extent -1.5,-1.5 1.5,1.5, height 0.92
"QFN-16 v2" [mm] "QFN, 16-Leads, Body 3,00x3,00mm, Pitch 0,50mm, Thermal Pad 1,73x1,73mm, IPC Medium Density"
  oval 0.75x0.25 smd: 1(-1.5,0.75) 2(-1.5,0.25) 3(-1.5,-0.25) 4(-1.5,-0.75) 9(1.5,-0.75) 10(1.5,-0.25) 11(1.5,0.25) 12(1.5,0.75)
  oval 0.25x0.75 smd: 5(-0.75,-1.5) 6(-0.25,-1.5) 7(0.25,-1.5) 8(0.75,-1.5) 13(0.75,1.5) 14(0.25,1.5) 15(-0.25,1.5) 16(-0.75,1.5)
  rrect20% 1.73x1.73 all layers, no hole mask+0.102: 17(0,0)
  silkscreen extent -2.14,-1.7 1.7,1.7, body extent -1.5,-1.5 1.5,1.5, height 1
QFN-24 [mm] "QFN, 24-Leads, Body 4,00x4,00mm, Pitch 0,50mm, Thermal Pad 2,70x2,70mm, IPC Medium Density"
  oval 0.7x0.3 smd: 1(-1.925,1.25) 2(-1.925,0.75) 3(-1.925,0.25) 4(-1.925,-0.25) 5(-1.925,-0.75) 6(-1.925,-1.25) 13(1.925,-1.25) 14(1.925,-0.75) 15(1.925,-0.25) 16(1.925,0.25) 17(1.925,0.75) 18(1.925,1.25)
  oval 0.3x0.7 smd: 7(-1.25,-1.925) 8(-0.75,-1.925) 9(-0.25,-1.925) 10(0.25,-1.925) 11(0.75,-1.925) 12(1.25,-1.925) 19(1.25,1.925) 20(0.75,1.925) 21(0.25,1.925) 22(-0.25,1.925) 23(-0.75,1.925) 24(-1.25,1.925)
  rrect20% 2.7x2.7 all layers, no hole mask+0.102: 25(0,0)
  silkscreen extent -2.57,-2.15 2.15,2.15, body extent -2,-2.01 2.01,2, height 0.9
QFN-28 [mm] "QFN, 28-Leads, Body 4,00x5,00mm, Pitch 0,50mm, Thermal Pad 2,50x3,50mm, IPC Medium Density"
  oval 0.7x0.25 smd: 1(-1.9,1.75) 2(-1.9,1.25) 3(-1.9,0.75) 4(-1.9,0.25) 5(-1.9,-0.25) 6(-1.9,-0.75) 7(-1.9,-1.25) 8(-1.9,-1.75) 15(1.9,-1.75) 16(1.9,-1.25) 17(1.9,-0.75) 18(1.9,-0.25) 19(1.9,0.25) 20(1.9,0.75) 21(1.9,1.25) 22(1.9,1.75)
  oval 0.25x0.7 smd: 9(-1.25,-2.4) 10(-0.75,-2.4) 11(-0.25,-2.4) 12(0.25,-2.4) 13(0.75,-2.4) 14(1.25,-2.4) 23(1.25,2.4) 24(0.75,2.4) 25(0.25,2.4) 26(-0.25,2.4) 27(-0.75,2.4) 28(-1.25,2.4)
  oval 0.5x1.5 all layers, no hole mask+0.102: 29(0,0)
  Multi-Layer region: -1.325,1.469 -1.325,-1.825 1.325,-1.825 1.325,1.825 -0.969,1.825
  silkscreen extent -3.23,-2.7 2.2,2.7, body extent -2,-2.5 2,2.5, height 0.75
R0402 [mil]
  rrect50% 23.62x24 smd: 1(-20,0) 2(20,0)
  silkscreen extent -6,-14 6,14, body extent -20,-12 20,12, height 13
R0603 [mm]
  rrect50% 0.8x0.9 smd: 1(-0.762,0) 2(0.762,0)
  silkscreen extent -0.23,-0.53 0.23,0.53, body extent -0.85,-0.4 0.85,0.4, height 0.56
R0805 [mm]
  rrect50% 1.05x1.3 smd: 1(-1.15,0) 2(1.15,0)
  silkscreen extent -0.38,-0.64 0.38,0.64, body extent -1.15,-0.67 1.15,0.68, height 0.76
SIM-43MH+ [mm] "Frequency Mixer"
  rect 0.76x1.52 smd: 1(-1.905,-2.256) 1(-0.635,2.256) 1(0.635,2.256) 1(0.635,-2.256) 1(1.905,2.256)
  rrect50% 0.76x1.52 smd: 2(-0.635,-2.256) 4(1.905,-2.256) 8(-1.905,2.256)
  Top RF region: -1.016,2.921 -0.254,2.921 -0.254,1.524 0.254,1.524 0.254,2.921 1.016,2.921 1.016,1.524 1.524,1.524 1.524,2.921 2.286,2.921 2.286,-0.889 1.016,-0.889 1.016,-2.921 0.254,-2.921 0.254,-0.889 -1.524,-0.889 -1.524,-2.921 -2.286,-2.921 -2.286,0.889 -1.016,0.889
  silkscreen extent -2.79,-3.88 2.79,2.5, body extent -2.54,-2.28 2.54,2.29, height 2.21
SOIC_SN8 [mm]
  oval 2x0.6 smd: 1(-2.921,1.905) 2(-2.921,0.635) 3(-2.921,-0.635) 4(-2.921,-1.905) 5(2.921,-1.905) 6(2.921,-0.635) 7(2.921,0.635) 8(2.921,1.905)
  silkscreen extent -3.72,-2.79 2.41,3.22, body extent -3.1,-2.5 3.1,2.5, height 1.75
SOT-23 [mm]
  rrect50% 0.8x1 smd: 1(0.95,1.1) 2(-0.95,1.1) 3(0,-1.1)
  silkscreen extent -1.78,-1.14 1.78,1.14, body extent -1.5,-1.25 1.5,1.25, height 1.09
TPS611781x [mm] "QFN, 24-Leads, Body 4,00x4,00mm, Pitch 0,50mm, PLASTIC SMALL OUTLINE - NO LEAD"
  rrect50% 0.8x0.25 smd: 1(-1.6,1) 2(-1.6,0.5) 3(-1.6,0) 4(-1.6,-0.5) 5(-1.6,-1) 9(1.6,-1) 10(1.6,-0.5) 11(1.6,0) 12(1.6,0.5) 13(1.6,1)
  rrect50% 0.25x3.4 smd: 6(-0.55,0) 7(0,0) 8(0.55,0)
  silkscreen extent -3.1,-1.8 2,2.35, body extent -1.74,-1.51 1.76,1.49, height 1.02
WSON-6 [mm] "PLASTIC SMALL OUTLINE - NO LEAD"
  rrect50% 1x1.8 all layers, no hole mask+0.102: 0(0,0)
  rrect25% 0.45x0.3 smd: 1(-0.975,0.65) 2(-0.975,0) 3(-0.975,-0.65) 4(0.975,-0.65) 5(0.975,0) 6(0.975,0.65)
  silkscreen extent -1.52,-1.2 1.2,1.2, body extent -1.01,-1 1.01,1, height 0.8
WSON-8 [mm] "PLASTIC SMALL OUTLINE - NO LEAD"
  rrect50% 0.9x1.8 all layers, no hole mask+0.102: 0(0,0)
  rrect25% 0.5x0.25 smd: 1(-0.95,0.75) 2(-0.95,0.25) 3(-0.95,-0.25) 4(-0.95,-0.75) 5(0.95,-0.75) 6(0.95,-0.25) 7(0.95,0.25) 8(0.95,0.75)
  silkscreen extent -1.58,-1.2 1.2,1.2, body extent -1,-1 1,1, height 0.79
XAL4020 [mm]
  rect 0.98x3.7 smd: 1(-1.185,0) 2(1.185,0)
  silkscreen extent -2.41,-2.41 2.41,2.41, body extent -2.15,-2.15 2.15,2.15, height 2.13
XAL4030 [mm]
  rect 0.98x3.7 smd: 1(-1.185,0) 2(1.185,0)
  silkscreen extent -2.41,-2.41 2.41,2.41, body extent -2.15,-2.15 2.15,2.15, height 3.13
XFL3012#1 [mm]
  rect 1x2.9 smd: 1(-1.015,0) 2(1.015,0)
  silkscreen extent -1.78,-1.78 1.78,1.78, body extent -1.6,-1.6 1.6,1.6, height 1.25
XFL3012#2 [mm]
  rrect50% 1x2.9 smd: 1(-1.015,0) 2(1.015,0)
  silkscreen extent -1.78,-1.78 1.78,1.78, body extent -1.6,-1.6 1.6,1.6, height 1.25